# KiCad board solderCurved.kicad_pcb (continued)
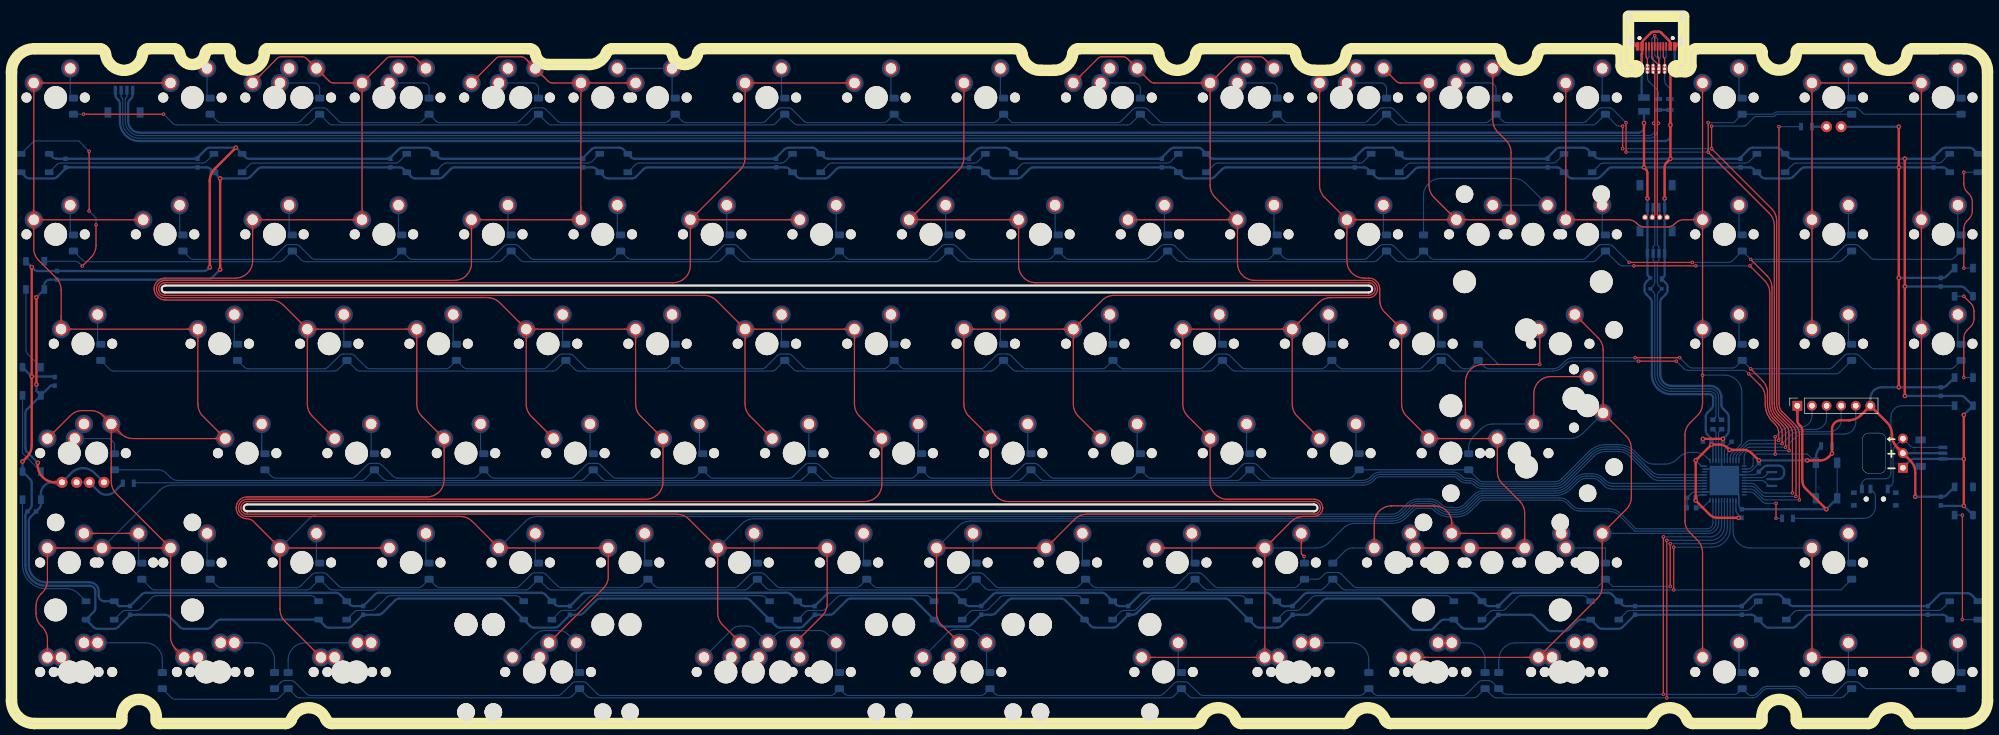
[diagram p0: board, top side]
## Routing (per net, layer and track width the routed paths; a pad name or vN(x,y) marks a point on that pad's centre or on a via; arc(x,y) is an arc through that point) (continued)
RGB: length 9.9
  Top w0.2: v1(307.18,35.71) v1(307.18,38.33)
  Bottom w0.2: R7.2 v1(307.18,35.71) ; U2.21 302.7,40.31 arc(303.08,40.24) 303.4,40.02 304.8,38.63 arc(305.12,38.41) 305.5,38.33 v1(307.18,38.33)
RGB_UNDERGLOW: length 28.9
  Bottom w0.2: RGB14.4 329.18,55.34 arc(327.76,54.75) 327.18,53.34 327.18,43.61 arc(326.89,42.9) 326.18,42.61 323.13,42.61 arc(322.42,42.32) 322.13,41.61 SW2.3
RST: length 37.2
  Top w0.2: v1(307.05,46.91) v1(307.05,49.91)
  Bottom w0.2: U2.13 302.22,44.31 arc(302.6,44.39) 302.93,44.6 303.2,44.88 303.2,46.16 arc(303.42,46.69) 303.95,46.91 v1(307.05,46.91) 312.63,46.91 SW1.2 SW1.2 ; v1(307.05,49.91) 308.15,51.01 arc(308.8,51.45) 309.56,51.6 311.44,51.6 arc(312.85,52.19) 313.44,53.6 J10.2
  Bottom w0.4: SW1.2 314.13,46.17 arc(314.36,47.32) 315.01,48.29 R9.2
SCK: length 352.1
  Top w0.2: v1(302.43,60.89) 304.41,58.9 arc(305.06,57.93) 305.29,56.78 305.29,55.68 arc(305.63,53.99) 306.58,52.56 307.06,52.08 arc(307.49,51.43) 307.65,50.67 v1(307.65,49.31) ; v1(283.23,63.09) v1(289.83,63.09)
  Bottom w0.2: v1(289.83,63.09) 291.13,61.78 arc(291.46,61.57) 291.84,61.49 301.41,61.49 arc(301.79,61.41) 302.12,61.2 v1(302.43,60.89) 317.6,60.89 arc(317.98,60.97) 318.31,61.18 D84.1 ; D3.1 17.12,61.65 arc(17.44,61.44) 17.82,61.36 56.13,61.36 arc(56.52,61.44) 56.84,61.65 D15.1 59.98,61.65 arc(60.3,61.44) 60.69,61.36 94.23,61.36 arc(94.62,61.44) 94.94,61.65 D26.1 98.08,61.65 arc(98.4,61.44) 98.79,61.36 132.33,61.36 arc(132.72,61.44) 133.04,61.65 D36.1 136.18,61.65 arc(136.5,61.44) 136.89,61.36 170.43,61.36 arc(170.82,61.44) 171.14,61.65 D47.1 174.28,61.65 arc(174.6,61.44) 174.99,61.36 208.53,61.36 arc(208.92,61.44) 209.24,61.65 D57.1 212.38,61.65 arc(212.7,61.44) 213.09,61.36 246.63,61.36 arc(247.02,61.44) 247.34,61.65 D67.1 250.48,61.65 arc(250.8,61.44) 251.19,61.36 268.3,61.36 arc(269.22,61.54) 270,62.06 270.56,62.62 arc(271.08,62.97) 271.69,63.09 v1(283.23,63.09) ; U2.9 299.7,46.26 arc(299.78,46.65) 299.99,46.97 302.04,49.02 arc(302.37,49.24) 302.75,49.31 v1(307.65,49.31) 308.95,50.61 arc(309.6,51.05) 310.36,51.2 313.98,51.2 arc(315.39,51.79) 315.98,53.2 J10.3
Net-(D1-Pad2): length 5.2
  Bottom w0.2: MX1.2 10.23,108.83
Net-(D2-Pad2): length 5.2
  Bottom w0.2: MX2.2 10.23,85.02
Net-(D3-Pad2): length 5.3
  Bottom w0.2: MX3.2 14.99,65.93
Net-(D4-Pad2): length 9.1
  Bottom w0.2: D4.2 17.93,48.79 17.1,49.61 MX8.1
Net-(D5-Pad2): length 14.6
  Top w0.2: MX6.2 MX5.2
  Bottom w0.2: MX6.2 22.13,27.98
Net-(D6-Pad2): length 15.2
  Bottom w0.2: MX7.2 23.26,14.05 arc(25.38,13.18) 26.26,11.05 D6.2
Net-(D7-Pad2): length 5.2
  Bottom w0.2: MX9.2 34.04,108.88
Net-(D8-Pad2): length 5.2
  Bottom w0.2: MX10.2 29.28,85.02
Net-(D9-Pad2): length 5.1
  Bottom w0.2: MX11.2 38.8,66.11
Net-(D10-Pad2): length 5.2
  Bottom w0.2: MX12.2 43.56,46.95
Net-(D11-Pad2): length 5.2
  Bottom w0.2: MX13.2 34.04,27.88
Net-(D12-Pad2): length 10.9
  Bottom w0.2: MX14.2 42.79,14.05 arc(44.91,13.18) 45.79,11.05 D12.2
Net-(D13-Pad2): length 9.1
  Bottom w0.2: MX15.1 52.65,111.53 arc(53.36,111.23) 53.65,110.53 D13.2
Net-(D14-Pad2): length 5.2
  Bottom w0.2: MX16.2 48.33,85.02
Net-(D15-Pad2): length 5.1
  Bottom w0.2: MX17.2 57.85,66.11
Net-(D16-Pad2): length 5.2
  Bottom w0.2: MX18.2 62.61,46.95
Net-(D17-Pad2): length 5.3
  Bottom w0.2: MX19.2 53.09,27.83
Net-(D18-Pad2): length 16
  Bottom w0.2: D18.2 48.17,11.05 arc(49.05,13.18) 51.17,14.05 MX103.2
Net-(D19-Pad2): length 9.1
  Bottom w0.2: 65.79,111.53 71.7,111.53 arc(72.41,111.23) 72.7,110.53 D19.2
Net-(D20-Pad2): length 5.2
  Bottom w0.2: MX22.2 67.38,85.02
Net-(D21-Pad2): length 5.1
  Bottom w0.2: MX23.2 76.9,66.11
Net-(D22-Pad2): length 5.2
  Bottom w0.2: MX24.2 81.66,46.95
Net-(D23-Pad2): length 5.3
  Bottom w0.2: MX25.2 72.14,27.83
Net-(D24-Pad2): length 9.1
  Bottom w0.2: D24.2 91.75,110.53 arc(91.46,111.23) 90.75,111.53 MX26.1
Net-(D25-Pad2): length 5.2
  Bottom w0.2: MX27.2 86.43,85.02
Net-(D26-Pad2): length 5.1
  Bottom w0.2: MX28.2 95.95,66.11
Net-(D27-Pad2): length 5.2
  Bottom w0.2: MX29.2 100.71,46.95
Net-(D28-Pad2): length 5.3
  Bottom w0.2: MX30.2 91.19,27.83
Net-(D29-Pad2): length 14.7
  Bottom w0.2: MX100.2 MX31.2 115,108.91
Net-(D30-Pad2): length 5.2
  Bottom w0.2: MX32.2 105.48,85.02
Net-(D31-Pad2): length 5.1
  Bottom w0.2: MX33.2 115,66.11
Net-(D32-Pad2): length 5.2
  Bottom w0.2: MX34.2 119.76,46.95
Net-(D33-Pad2): length 5.3
  Bottom w0.2: 110.24,33.1 110.24,27.83
Net-(D34-Pad2): length 5.2
  Bottom w0.2: MX36.2 134.05,108.86
Net-(D35-Pad2): length 5.2
  Bottom w0.2: MX37.2 124.53,85.02
Net-(D36-Pad2): length 5.1
  Bottom w0.2: MX38.2 134.05,66.11
Net-(D37-Pad2): length 5.2
  Bottom w0.2: MX39.2 138.81,46.95
Net-(D38-Pad2): length 5.3
  Bottom w0.2: MX40.2 129.29,27.83
Net-(D39-Pad2): length 5.3
  Bottom w0.2: MX41.2 153.1,108.81
Net-(D40-Pad2): length 5.2
  Bottom w0.2: MX42.2 143.58,85.02
Net-(D41-Pad2): length 5.1
  Bottom w0.2: MX43.2 153.1,66.11
Net-(D42-Pad2): length 5.2
  Bottom w0.2: MX44.2 157.86,46.95
Net-(D43-Pad2): length 5.3
  Bottom w0.2: MX45.2 148.34,27.83
Net-(D44-Pad2): length 32.8
  Bottom w0.2: 143.58,9.16 MX46.2 142.03,15.6 arc(141.38,16.04) 140.61,16.19 134.63,16.19 arc(133.87,16.04) 133.22,15.6 MX108.2 129.34,16.39 arc(128.69,16.82) 127.92,16.97 126.85,16.97 arc(126.08,16.82) 125.43,16.39 MX109.1
Net-(D45-Pad2): length 5.1
  Bottom w0.2: MX47.2 172.15,108.96
Net-(D46-Pad2): length 5.2
  Bottom w0.2: MX48.2 162.63,85.02
Net-(D47-Pad2): length 5.1
  Bottom w0.2: MX49.2 172.15,66.11
Net-(D48-Pad2): length 5.2
  Bottom w0.2: MX50.2 176.91,46.95
Net-(D49-Pad2): length 5.3
  Bottom w0.2: MX51.2 167.39,27.83
Net-(D50-Pad2): length 9.1
  Bottom w0.2: MX52.1 195.52,111.53 arc(196.23,111.23) 196.52,110.53 D50.2
Net-(D51-Pad2): length 5.2
  Bottom w0.2: MX53.2 181.68,85.02
Net-(D52-Pad2): length 5.1
  Bottom w0.2: MX54.2 191.2,66.11
Net-(D53-Pad2): length 5.2
  Bottom w0.2: MX55.2 195.96,46.95
Net-(D54-Pad2): length 5.3
  Bottom w0.2: MX56.2 186.44,27.83
Net-(D55-Pad2): length 9.1
  Bottom w0.2: D55.2 220.34,110.53 arc(220.04,111.23) 219.34,111.53 MX105.1
Net-(D56-Pad2): length 5.2
  Bottom w0.2: MX58.2 200.73,85.02
Net-(D57-Pad2): length 5.1
  Bottom w0.2: MX59.2 210.25,66.11
Net-(D58-Pad2): length 5.2
  Bottom w0.2: MX60.2 215.01,46.95
Net-(D59-Pad2): length 5.3
  Bottom w0.2: 205.49,33.1 205.49,27.83
Net-(D60-Pad2): length 9.1
  Bottom w0.2: D60.2 239.39,110.53 arc(239.09,111.23) 238.39,111.53 MX106.1
Net-(D61-Pad2): length 5.2
  Bottom w0.2: MX63.2 219.78,85.02
Net-(D62-Pad2): length 5.1
  Bottom w0.2: MX64.2 229.3,66.11
Net-(D63-Pad2): length 5.2
  Bottom w0.2: MX65.2 234.06,46.95
Net-(D64-Pad2): length 5.2
  Top w0.2: v1(225.03,29.09) 224.54,29.58 MX66.2
  Bottom w0.2: v1(225.03,29.09) 225.03,28.09
Net-(D65-Pad2): length 9.1
  Bottom w0.2: D65.2 258.44,110.53 arc(258.14,111.23) 257.44,111.53 MX107.1
Net-(D66-Pad2): length 5.2
  Bottom w0.2: MX68.2 238.83,85.02
Net-(D67-Pad2): length 5.1
  Bottom w0.2: MX69.2 248.35,66.11
Net-(D68-Pad2): length 40.8
  Top w0.2: MX120.1 237.24,34.89 arc(238.12,37.01) 240.24,37.89 247.73,37.89 arc(249.85,37.01) 250.73,34.89 MX70.2 MX71.2
  Bottom w0.2: D68.2 232.08,29.98 arc(232.73,30.41) 233.49,30.56 MX120.1
Net-(D69-Pad2): length 13.3
  Bottom w0.2: D69.2 236.29,11.05 arc(235.41,13.18) 233.29,14.05 MX116.2
Net-(D70-Pad2): length 5.3
  Bottom w0.2: MX73.2 276.93,108.79
Net-(D71-Pad2): length 41.5
  Bottom w0.2: D71.2 245.81,91.91 arc(246.69,94.03) 248.81,94.91 261.5,94.91 arc(262.65,94.68) 263.62,94.03 MX75.2 MX74.2
Net-(D72-Pad2): length 40.3
  Top w0.2: 266.04,68.66 v1(266.04,62.51) 256.11,62.51 arc(253.99,61.63) 253.11,59.51 MX76.2
  Bottom w0.2: v1(266.04,62.51) 259.27,62.51 arc(258.88,62.58) 258.56,62.8 255.34,66.02
Net-(D73-Pad2): length 31
  Top w0.2: MX81.1 268.02,60.41 arc(265.9,59.53) 265.02,57.41 MX77.2
  Bottom w0.2: MX77.2 257.93,52.15 arc(256.78,51.93) 255.81,51.28 254.55,50.02 arc(253.9,49.04) 253.67,47.89 D73.2
Net-(D74-Pad2): length 9.5
  Bottom w0.2: MX78.1 277.49,30.56 D74.2
Net-(D75-Pad2): length 9.7
  Bottom w0.2: MX117.2 253.53,14.05 arc(255.65,13.18) 256.53,11.05 D75.2
Net-(D76-Pad2): length 5.2
  Bottom w0.2: MX82.2 276.93,85.02
Net-(D77-Pad2): length 17.1
  Bottom w0.2: MX83.2 261.91,14.05 arc(259.79,13.18) 258.91,11.05 D77.2
Net-(D78-Pad2): length 5.1
  Bottom w0.2: MX84.2 300.74,108.98
Net-(D79-Pad2): length 5.3
  Bottom w0.2: MX85.2 300.74,84.98
Net-(D80-Pad2): length 5.3
  Bottom w0.2: MX86.2 300.74,65.93
Net-(D81-Pad2): length 5.1
  Bottom w0.2: MX87.2 300.74,9
Net-(D82-Pad2): length 5.1
  Bottom w0.2: MX88.2 319.79,108.98
Net-(D83-Pad2): length 5.3
  Bottom w0.2: MX89.2 319.79,84.98
Net-(D84-Pad2): length 5.3
  Bottom w0.2: MX90.2 319.79,65.93
Net-(D85-Pad2): length 5.3
  Bottom w0.2: MX91.2 319.79,27.83
Net-(D86-Pad2): length 5.2
  Bottom w0.2: MX92.2 319.79,8.85
Net-(D87-Pad2): length 5.1
  Bottom w0.2: 338.84,114.07 338.84,108.98
Net-(D88-Pad2): length 5.3
  Bottom w0.2: 338.84,90.25 338.84,84.98
Net-(D89-Pad2): length 5.3
  Bottom w0.2: 338.84,71.2 338.84,65.93
Net-(D90-Pad2): length 5.2
  Bottom w0.2: 338.84,14.05 338.84,8.9
Net-(D91-Pad2): length 5.4
  Bottom w0.2: MX115.2 203.11,8.63
Net-(D92-Pad2): length 19
  Bottom w0.2: MX111.1 91.31,15.6 arc(91.96,16.04) 92.72,16.19 95.37,16.19 arc(96.13,16.04) 96.78,15.6 MX110.2 98.33,8.81
Net-(D93-Pad2): length 19.1
  Bottom w0.2: 169.77,8.87 MX113.2 168.02,15.8 arc(167.37,16.24) 166.61,16.39 164.36,16.39 arc(163.6,16.24) 162.95,15.8 MX114.1
Net-(LED1-Pad1): length 2.6
  Bottom w0.4: LED1.1 313.42,103.91
Net-(LED2-Pad1): length 9.6
  Bottom w0.4: LED2.1 13.56,41.99 LED3.1 15.14,40.42 arc(16.55,39.83) 17.97,40.42 R3.1
Net-(R7-Pad1): length 18.9
  Bottom w0.2: R7.1 322.48,35.71 arc(323.89,36.3) 324.48,37.71 324.48,39.58 arc(324.4,39.96) 324.19,40.28 SW2.2
Net-(RGB1-Pad2): length 41.8
  Top w0.2: v1(13.51,99.63) v1(13.51,89.23) ; v1(14.71,86.83) 14.71,83.27 arc(14.49,82.13) 13.84,81.15 v1(12.31,79.63)
  Bottom w0.2: v1(12.31,79.63) 11.76,80.19 arc(11.43,80.4) 11.05,80.48 RGB16.4 ; v1(14.71,86.83) 14.71,88.03 v1(13.51,89.23) ; RGB1.2 3.91,101.43 11.71,101.43 v1(13.51,99.63)
Net-(RGB1-Pad4): length 29.9
  Bottom w0.2: RGB2.2 33.93,97.87 arc(33.61,97.66) 33.23,97.58 8.58,97.58 arc(8.2,97.5) 7.87,97.29 RGB1.4
Net-(RGB2-Pad4): length 29.9
  Bottom w0.2: RGB2.4 41.45,97.29 arc(41.77,97.5) 42.15,97.58 66.8,97.58 arc(67.19,97.66) 67.51,97.87 RGB3.2
Net-(RGB3-Pad4): length 29.9
  Bottom w0.2: RGB3.4 75.02,97.29 arc(75.35,97.5) 75.73,97.58 100.38,97.58 arc(100.76,97.66) 101.09,97.87 RGB4.2
Net-(RGB4-Pad4): length 29.9
  Bottom w0.2: RGB4.4 108.6,97.29 arc(108.92,97.5) 109.31,97.58 133.95,97.58 arc(134.34,97.66) 134.66,97.87 RGB6.2
Net-(RGB5-Pad2): length 29.9
  Bottom w0.2: RGB9.4 242.9,97.29 arc(243.23,97.5) 243.61,97.58 268.26,97.58 arc(268.64,97.66) 268.97,97.87 RGB5.2
Net-(RGB6-Pad4): length 29.9
  Bottom w0.2: RGB6.4 142.18,97.29 arc(142.5,97.5) 142.88,97.58 167.53,97.58 arc(167.91,97.66) 168.24,97.87 RGB7.2
Net-(RGB7-Pad4): length 29.9
  Bottom w0.2: RGB7.4 175.75,97.29 arc(176.08,97.5) 176.46,97.58 201.11,97.58 arc(201.49,97.66) 201.81,97.87 RGB8.2
Net-(RGB8-Pad4): length 29.9
  Bottom w0.2: RGB8.4 209.33,97.29 arc(209.65,97.5) 210.03,97.58 234.68,97.58 arc(235.07,97.66) 235.39,97.87 RGB9.2
Net-(RGB10-Pad2): length 29.9
  Bottom w0.2: RGB5.4 276.48,97.29 arc(276.8,97.5) 277.19,97.58 301.83,97.58 arc(302.22,97.66) 302.54,97.87 RGB10.2
Net-(RGB10-Pad4): length 29.9
  Bottom w0.2: RGB10.4 310.06,97.29 arc(310.38,97.5) 310.76,97.58 335.41,97.58 arc(335.79,97.66) 336.12,97.87 RGB11.2
Net-(RGB11-Pad4): length 21.6
  Top w0.2: v1(339.87,79.29) 339.87,86.13 arc(340.02,86.9) 340.46,87.55 340.77,87.86 arc(341.21,88.51) 341.36,89.28 341.36,90.8 arc(341.21,91.57) 340.77,92.22 340.46,92.53 arc(340.03,93.18) 339.87,93.94 v1(339.87,95.98)
  Bottom w0.2: RGB15.2 v1(339.87,79.29) ; RGB11.4 v1(339.87,95.98)
Net-(RGB12-Pad2): length 22.3
  Top w0.2: v1(339.63,36.29) v1(339.63,18.09)
  Bottom w0.2: RGB12.2 v1(339.63,18.09) ; RGB13.4 v1(339.63,36.29)
Net-(RGB12-Pad4): length 29.7
  Bottom w0.2: RGB12.4 336.11,19.98 arc(335.79,19.77) 335.41,19.69 311,19.69 arc(310.62,19.61) 310.29,19.4 RGB27.4
Net-(RGB14-Pad2): length 18.6
  Top w0.2: v1(339.87,60.24) 339.87,67.08 arc(340.02,67.85) 340.46,68.5 341.07,69.11 arc(341.5,69.76) 341.66,70.52 341.66,71.78 arc(341.5,72.54) 341.07,73.19 v1(339.87,74.39)
  Bottom w0.2: RGB15.4 v1(339.87,74.39) ; RGB14.2 v1(339.87,60.24)
Net-(RGB16-Pad2): length 14.6
  Bottom w0.2: RGB16.2 2.51,65.04 arc(2.59,64.66) 2.81,64.34 RGB17.4
Net-(RGB17-Pad2): length 14.6
  Bottom w0.2: RGB18.4 1.92,47.07 RGB17.2
Net-(RGB18-Pad2): length 25.6
  Bottom w0.2: RGB19.4 11.65,22.61 arc(10.68,23.26) 9.53,23.49 6.02,23.49 arc(3.12,24.69) 1.92,27.59 RGB18.2
Net-(RGB19-Pad2): length 37.5
  Bottom w0.2: RGB19.2 19.18,19.4 arc(19.51,19.61) 19.89,19.69 21.81,19.69 arc(22.19,19.77) 22.52,19.98 24.5,21.97 arc(24.83,22.19) 25.21,22.26 52.07,22.26 arc(52.45,22.19) 52.78,21.97 RGB20.4
Net-(RGB20-Pad2): length 32.8
  Bottom w0.2: RGB21.4 88.5,21.97 arc(88.17,22.19) 87.79,22.26 66.01,22.26 arc(65.63,22.19) 65.3,21.97 63.32,19.98 arc(62.99,19.77) 62.61,19.69 60.37,19.69 arc(59.99,19.61) 59.66,19.4 RGB20.2
Net-(RGB21-Pad2): length 39.9
  Bottom w0.2: RGB22.4 131.29,21.97 arc(130.97,22.19) 130.58,22.26 101.21,22.26 arc(100.83,22.19) 100.5,21.97 98.52,19.98 arc(98.19,19.77) 97.81,19.69 96.09,19.69 arc(95.71,19.61) 95.38,19.4 RGB21.2
Net-(RGB22-Pad2): length 25.7
  Bottom w0.2: RGB22.2 138.18,19.4 arc(138.5,19.61) 138.88,19.69 141.01,19.69 arc(141.39,19.77) 141.72,19.98 143.7,21.97 arc(144.03,22.19) 144.41,22.26 159.23,22.26 arc(159.61,22.19) 159.93,21.97 RGB23.4
Net-(RGB23-Pad2): length 23.3
  Bottom w0.2: RGB23.2 166.82,19.4 arc(167.14,19.61) 167.53,19.69 169.41,19.69 arc(169.79,19.77) 170.12,19.98 172.1,21.97 arc(172.43,22.19) 172.81,22.26 185.42,22.26 arc(185.8,22.19) 186.13,21.97 RGB24.4
Net-(RGB24-Pad2): length 25.6
  Bottom w0.2: RGB25.4 214.7,21.97 arc(214.38,22.19) 214,22.26 198.61,22.26 arc(198.23,22.19) 197.9,21.97 195.92,19.98 arc(195.59,19.77) 195.21,19.69 193.72,19.69 arc(193.34,19.61) 193.01,19.4 RGB24.2
Net-(RGB25-Pad2): length 32.8
  Bottom w0.2: RGB25.2 221.59,19.4 arc(221.91,19.61) 222.3,19.69 223.71,19.69 arc(224.09,19.77) 224.42,19.98 226.4,21.97 arc(226.73,22.19) 227.11,22.26 249.71,22.26 arc(250.1,22.19) 250.42,21.97 RGB26.4
Net-(RGB26-Pad2): length 20.9
  Bottom w0.2: RGB28.2 274.23,21.97 arc(273.91,22.19) 273.53,22.26 262.81,22.26 arc(262.43,22.19) 262.1,21.97 260.12,19.98 arc(259.79,19.77) 259.41,19.69 258.01,19.69 arc(257.63,19.61) 257.31,19.4 RGB26.2
Net-(RGB27-Pad2): length 25.5
  Bottom w0.2: RGB28.4 281.12,19.4 arc(281.44,19.61) 281.83,19.69 302.07,19.69 arc(302.45,19.77) 302.78,19.98 RGB27.2
unconnected-(C6-Pad1): length 3.8
  Bottom w0.2: 298.2,45.75 298.2,47.4 arc(298.28,47.78) 298.49,48.1 C6.1
unconnected-(R10-Pad2): length 2.9
  Bottom w0.2: 295.7,38.87 294.68,37.85 arc(294.36,37.64) 293.97,37.56 R10.2
unconnected-(Y1-Pad1): length 5.2
  Bottom w0.2: 301.64,42.31 304.59,42.31 arc(304.98,42.24) 305.3,42.02 305.96,41.36 Y1.1
unconnected-(Y1-Pad3): length 5.2
  Bottom w0.2: 301.64,42.81 304.59,42.81 arc(304.98,42.89) 305.3,43.1 305.96,43.76 Y1.3

## Copper pours and planes (outline as drawn; the poured copper is in the pictures)
+5V on Top: 324.94,54.28 324.89,54.33 324.84,54.37 324.8,54.42 324.77,54.47 324.73,54.51 324.7,54.55 324.68,54.59 324.4,55.61 323.3,55.63 323.32,54.53 324.33,54.25 324.38,54.22 324.42,54.19 324.46,54.16 324.51,54.13 324.55,54.09 324.6,54.04 324.65,53.99
+5V on Top: 322.55,53.99 322.6,54.04 322.64,54.09 322.69,54.13 322.74,54.16 322.78,54.19 322.82,54.22 322.86,54.25 323.88,54.53 323.9,55.63 322.8,55.61 322.52,54.59 322.49,54.55 322.46,54.51 322.43,54.47 322.4,54.42 322.36,54.37 322.31,54.33 322.26,54.28
+5V on Top: 327.57,48.68 328.47,46.8 329.57,46.77 329.55,47.88 329.48,47.9 328.67,48.14 328.61,48.16 328.56,48.18 328.52,48.21 328.47,48.24 328.42,48.27 328.37,48.3 328.33,48.34 328.28,48.38 328.24,48.42 328.19,48.47 328.15,48.52 328.1,48.58 328.06,48.65 328.01,48.71 327.97,48.79 327.92,48.87
+5V on Top: 6.57,41.95 8.38,41.14 9.27,41.99 8.38,42.85 8.32,42.82 8.25,42.78 8.19,42.75 7.6,42.36 7.55,42.34 7.5,42.32 7.45,42.3 7.4,42.29 7.35,42.27 7.3,42.26 7.25,42.25 7.19,42.25 7.13,42.25 7.07,42.25 7,42.26 6.93,42.27 6.86,42.29 6.78,42.31 6.7,42.33
+5V on Top: 330.61,46.02 330.56,46.07 330.52,46.12 330.48,46.17 330.44,46.21 330.41,46.25 330.38,46.3 330.35,46.34 330.08,47.35 328.97,47.38 329,46.27 330.01,45.99 330.05,45.97 330.09,45.94 330.14,45.91 330.18,45.87 330.23,45.83 330.28,45.79 330.33,45.74
+5V on Bottom: 330.96,47.27 330.89,47.28 330.83,47.28 330.77,47.28 330.71,47.29 330.66,47.3 330.61,47.31 330.56,47.32 329.64,47.84 328.85,47.07 329.64,46.31 330.56,46.83 330.61,46.84 330.66,46.85 330.71,46.86 330.77,46.87 330.83,46.87 330.89,46.87 330.96,46.87
+5V on Bottom: 95.11,20.67 94.55,21.45 93.9,21.47 93.93,20.81 95,20.29
+5V on Bottom: 67.78,96.6 68.34,95.82 68.99,95.8 68.96,96.46 67.89,96.98
+5V on Bottom: 136.03,21.85 136.4,21.13 137.05,21.11 137.03,21.76 136.31,22.13
+5V on Bottom: 18.72,20.73 18.35,21.45 17.7,21.47 17.71,20.82 18.43,20.45
+5V on Bottom: 280.85,20.67 280.29,21.45 279.64,21.47 279.67,20.81 280.74,20.29
+5V on Bottom: 255.16,21.85 255.53,21.13 256.18,21.11 256.16,21.76 255.44,22.13
+5V on Bottom: 278.97,21.85 279.34,21.13 279.99,21.11 279.98,21.76 279.25,22.13
+5V on Bottom: 59.4,20.67 58.83,21.45 58.18,21.47 58.22,20.81 59.28,20.29
+5V on Bottom: 271.11,95.42 270.74,96.14 270.1,96.16 270.11,95.51 270.83,95.14
+5V on Bottom: 93.23,21.85 93.6,21.13 94.25,21.11 94.24,21.76 93.52,22.13
+5V on Bottom: 203.96,95.42 203.59,96.14 202.94,96.16 202.96,95.51 203.68,95.14
+5V on Bottom: 170.39,95.42 170.02,96.14 169.37,96.16 169.38,95.51 170.1,95.14
+5V on Bottom: 164.67,21.85 165.04,21.13 165.69,21.11 165.68,21.76 164.95,22.13
+5V on Bottom: 4.28,57.68 4.65,56.96 5.3,56.95 5.28,57.6 4.56,57.97
+5V on Bottom: 308.14,21.85 308.51,21.13 309.16,21.11 309.15,21.76 308.43,22.13
+5V on Bottom: 304.69,95.42 304.32,96.14 303.67,96.16 303.68,95.51 304.41,95.14
+5V on Bottom: 136.81,95.42 136.44,96.14 135.79,96.16 135.8,95.51 136.53,95.14
+5V on Bottom: 16.89,21.09 17.66,20.84 18.13,21.29 17.66,21.74 16.89,21.49
+5V on Bottom: 302.81,96.6 303.38,95.82 304.03,95.8 303.99,96.46 302.92,96.98
+5V on Bottom: 337.71,59.4 338.44,59.77 338.45,60.42 337.8,60.4 337.43,59.68
+5V on Bottom: 336.39,96.6 336.95,95.82 337.6,95.8 337.57,96.46 336.5,96.98
+5V on Bottom: 2.51,95.42 2.14,96.14 1.49,96.16 1.5,95.51 2.22,95.14
+5V on Bottom: 310.02,20.67 309.46,21.45 308.81,21.47 308.84,20.81 309.91,20.29
+5V on Bottom: 14.61,43.2 14.67,43.14 14.72,43.09 14.76,43.03 14.8,42.98 14.84,42.93 14.87,42.88 14.9,42.84 14.93,42.79 14.95,42.74 14.97,42.7 15.16,41.81 15.18,41.75 15.2,41.68 16.44,41.66 16.41,42.89 16.35,42.92 16.28,42.94 15.4,43.13 15.35,43.14 15.3,43.17 15.26,43.19 15.21,43.22 15.16,43.25 15.11,43.29 15.06,43.33 15.01,43.38 14.95,43.43 14.9,43.48
+5V on Bottom: 5.68,57.97 4.96,57.6 4.94,56.95 5.59,56.96 5.96,57.68
+5V on Bottom: 257.04,20.67 256.47,21.45 255.82,21.47 255.86,20.81 256.93,20.29
+5V on Bottom: 69.66,95.42 69.29,96.14 68.64,96.16 68.65,95.51 69.38,95.14
+5V on Bottom: 219.44,21.85 219.81,21.13 220.46,21.11 220.45,21.76 219.72,22.13
+5V on Bottom: 237.54,95.42 237.17,96.14 236.52,96.16 236.53,95.51 237.26,95.14
+5V on Bottom: 202.08,96.6 202.65,95.82 203.3,95.8 203.26,96.46 202.19,96.98
+5V on Bottom: 341.48,21.85 341.85,21.13 342.5,21.11 342.49,21.76 341.76,22.13
+5V on Bottom: 137.91,20.67 137.34,21.45 136.69,21.47 136.73,20.81 137.8,20.29
+5V on Bottom: 57.52,21.85 57.88,21.13 58.53,21.11 58.52,21.76 57.8,22.13
+5V on Bottom: 6.29,41.59 6.39,41.64 6.48,41.68 6.56,41.71 6.64,41.74 6.72,41.76 6.8,41.77 6.87,41.78 6.94,41.79 7.01,41.79 7.07,41.78 7.14,41.78 7.2,41.76 7.26,41.75 7.32,41.73 7.38,41.7 7.44,41.68 7.5,41.65 7.56,41.61 8.15,41.26 8.22,41.22 8.3,41.18 8.38,41.14 9.27,41.99 8.36,42.84 8.27,42.79 8.18,42.75 8.1,42.71 8.02,42.68 7.94,42.65 7.87,42.62 6.75,42.24 6.67,42.21 6.59,42.17 6.5,42.14 6.41,42.1 6.32,42.05 6.22,42 6.11,41.95
+5V on Bottom: 235.66,96.6 236.22,95.82 236.87,95.8 236.84,96.46 235.77,96.98
+5V on Bottom: 284.4,105.46 284.71,106.34 284.2,106.87 283.69,106.34 284,105.46
+5V on Bottom: 4.56,56.28 5.28,56.65 5.3,57.3 4.65,57.29 4.28,56.57
+5V on Bottom: 5.66,76.86 5.28,75.82 5.71,75.33 6.16,75.8 6.01,76.66
+5V on Bottom: 166.55,20.67 165.99,21.45 165.34,21.47 165.37,20.81 166.44,20.29
+5V on Bottom: 269.23,96.6 269.8,95.82 270.45,95.8 270.41,96.46 269.35,96.98
+5V on Bottom: 192.75,20.67 192.18,21.45 191.53,21.47 191.57,20.81 192.63,20.29
+5V on Bottom: 337.71,40.35 338.44,40.72 338.45,41.37 337.8,41.35 337.43,40.63
+5V on Bottom: 5.17,37.61 5.56,38.73 5.12,39.22 4.67,38.75 4.82,37.8
+5V on Bottom: 103.23,95.42 102.86,96.14 102.22,96.16 102.23,95.51 102.95,95.14
+5V on Bottom: 221.32,20.67 220.75,21.45 220.11,21.47 220.14,20.81 221.21,20.29
+5V on Bottom: 101.35,96.6 101.92,95.82 102.57,95.8 102.53,96.46 101.47,96.98
+5V on Bottom: 36.08,95.42 35.71,96.14 35.06,96.16 35.08,95.51 35.8,95.14
+5V on Bottom: 34.2,96.6 34.77,95.82 35.42,95.8 35.38,96.46 34.31,96.98
+5V on Bottom: 168.51,96.6 169.07,95.82 169.72,95.8 169.69,96.46 168.62,96.98
+5V on Bottom: 190.87,21.85 191.23,21.13 191.88,21.11 191.87,21.76 191.15,22.13
+5V on Bottom: 134.93,96.6 135.5,95.82 136.15,95.8 136.11,96.46 135.04,96.98
+5V on Bottom: 323.59,57.45 322.83,55.7 323.6,54.9 324.36,55.7 324.33,55.76 324.3,55.82 323.92,56.45 323.9,56.5 323.88,56.54 323.87,56.59 323.85,56.64 323.85,56.68 323.84,56.73 323.84,56.78 323.84,56.84 323.84,56.89 323.85,56.95 323.86,57.01 323.88,57.07 323.9,57.14 323.93,57.21 323.96,57.28
+5V on Bottom: 320.42,104.11 320.34,104.11 320.27,104.11 320.2,104.12 320.13,104.12 320.07,104.13 320.02,104.15 319.96,104.16 319.91,104.17 319.86,104.19 319.82,104.21 319.05,104.7 319,104.73 318.93,104.76 318.04,103.91 318.93,103.05 319,103.08 319.05,103.11 319.82,103.61 319.86,103.62 319.91,103.64 319.96,103.66 320.02,103.67 320.07,103.68 320.13,103.69 320.2,103.7 320.27,103.7 320.34,103.71 320.42,103.71
+5V on Bottom: 5.16,74.74 5.88,75.11 5.89,75.76 5.24,75.74 4.87,75.02
+5V on Bottom: 337.71,78.45 338.44,78.82 338.45,79.47 337.8,79.45 337.43,78.73
+5V on Bottom: 10,43.48 9.95,43.43 9.89,43.38 9.84,43.33 9.79,43.29 9.74,43.25 9.69,43.22 9.64,43.19 9.59,43.17 9.55,43.14 9.5,43.13 8.61,42.94 8.55,42.92 8.49,42.89 8.46,41.66 9.7,41.68 9.72,41.75 9.74,41.81 9.93,42.7 9.95,42.74 9.97,42.79 10,42.84 10.03,42.88 10.06,42.93 10.09,42.98 10.13,43.03 10.18,43.09 10.23,43.14 10.28,43.2
+5V on Bottom: 4.92,39.96 4.67,39.19 5.12,38.72 5.57,39.19 5.32,39.96
GND on Top: 282.19,122 282.44,122.77 281.99,123.24 281.54,122.77 281.79,122
GND on Top: 290.83,122 291.08,122.77 290.63,123.24 290.18,122.77 290.43,122
GND on Top: 290.83,122 291.08,122.77 290.63,123.24 290.18,122.77 290.43,122
GND on Top: 290.43,119.8 290.18,119.03 290.63,118.56 291.08,119.03 290.83,119.8
GND on Top: 290.07,117.97 290.79,118.34 290.81,118.99 290.16,118.97 289.79,118.25
GND on Top: 311.1,53.64 311.1,53.71 311.1,53.77 311.11,53.84 311.11,53.89 311.12,53.95 311.13,54 311.14,54.05 311.66,54.96 310.9,55.75 310.13,54.96 310.66,54.05 310.67,54 310.68,53.95 310.68,53.89 310.69,53.84 310.7,53.77 310.7,53.71 310.7,53.64
GND on Top: 282.19,122 282.44,122.77 281.99,123.24 281.54,122.77 281.79,122
GND on Top: 290.43,119.8 290.18,119.03 290.63,118.56 291.08,119.03 290.83,119.8
GND on Top: 282.98,123.19 282.21,123.44 281.74,122.99 282.21,122.54 282.98,122.79
GND on Top: 282.83,118.25 282.46,118.97 281.81,118.99 281.83,118.34 282.55,117.97
GND on Top: 290.07,117.97 290.79,118.34 290.81,118.99 290.16,118.97 289.79,118.25
GND on Top: 281.79,119.8 281.54,119.03 281.99,118.56 282.44,119.03 282.19,119.8
GND on Top: 289.64,122.79 290.41,122.54 290.88,122.99 290.41,123.44 289.64,123.19
GND on Top: 282.98,123.19 282.21,123.44 281.74,122.99 282.21,122.54 282.98,122.79
GND on Top: 289.64,122.79 290.41,122.54 290.88,122.99 290.41,123.44 289.64,123.19
